# Altium PCB board_layout.pcbdoc (part 4 of 4)
Units mm, origin at the board's own origin, x right, y up, seen from the top; angles counter-clockwise.
Board outline 92.13 x 89.13 mm, 4 copper layers (Top Layer, Signal Layer 1, Signal Layer 2, Bottom Layer), stack 1.561 mm thick; 362 components, 209 nets, 1215 pads, 340 vias.
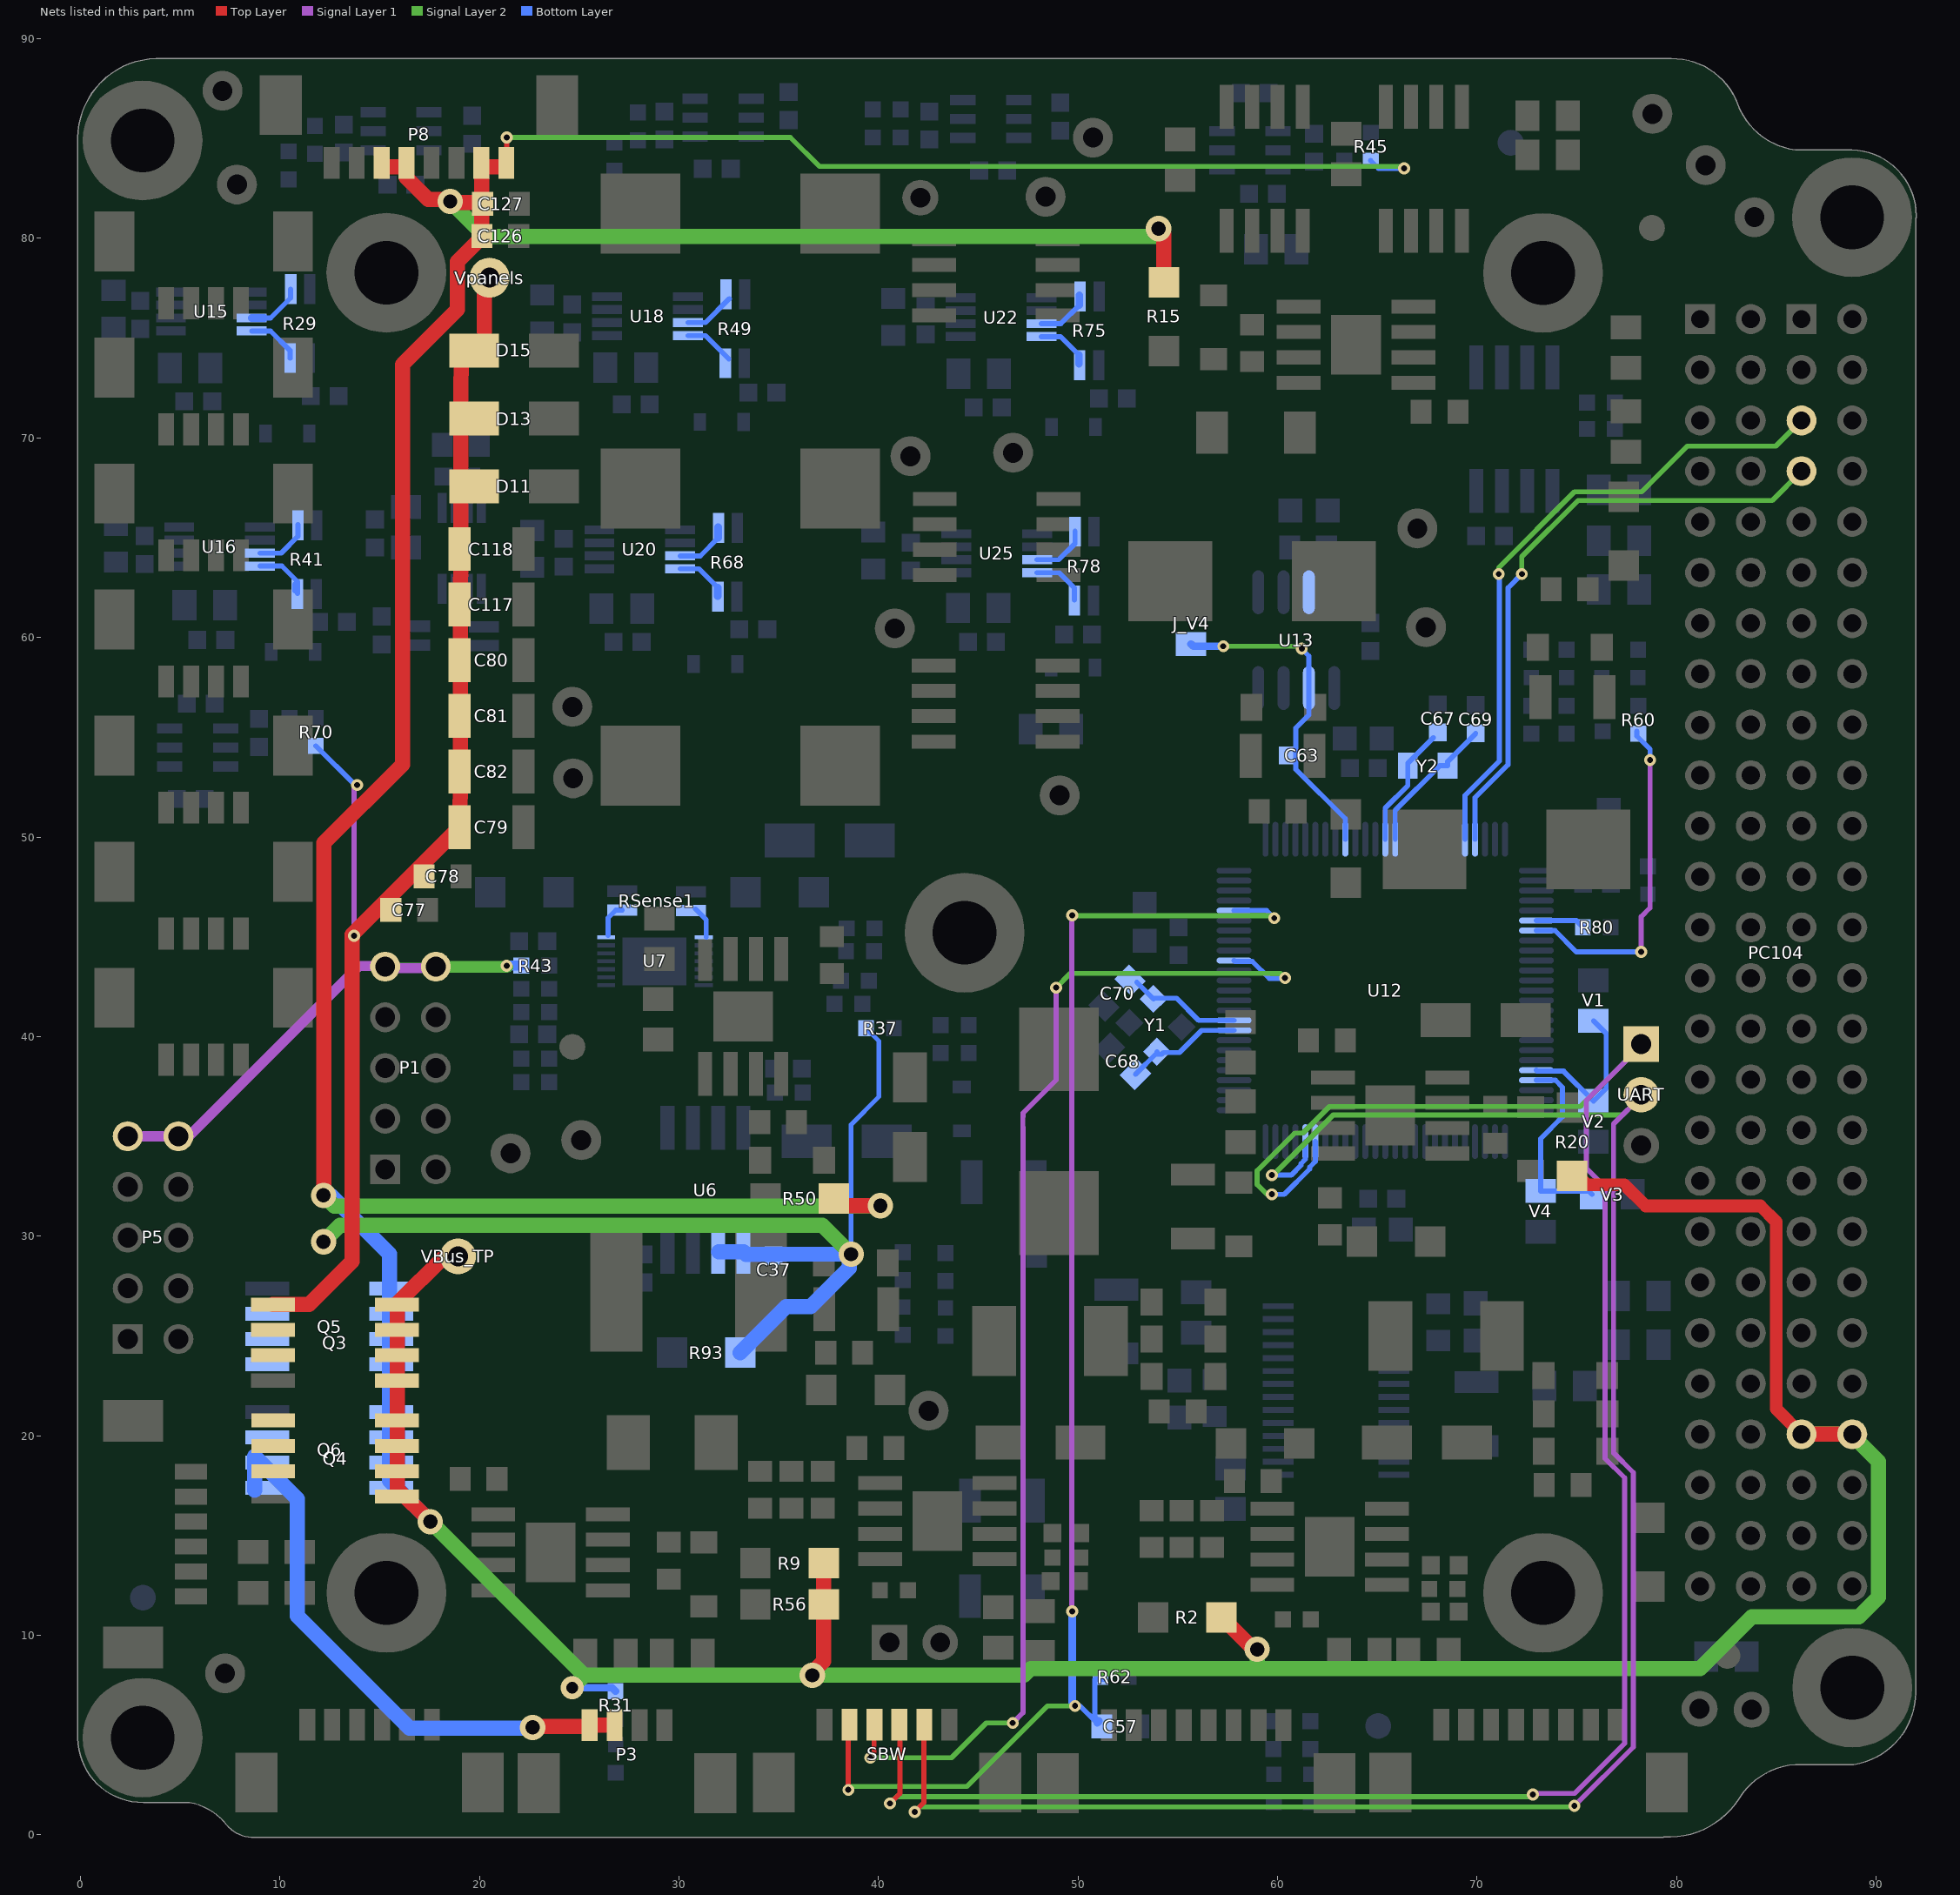
[diagram p6: the nets of this part, all layers, seen from the top]

## Via types
v1: diameter 0.6, hole 0.3, Top Layer to Bottom Layer, tented both sides, 251 vias
v2: diameter 1.27, hole 0.711, Top Layer to Bottom Layer, tented both sides, 53 vias
v3: diameter 1.27, hole 0.711, Top Layer to Bottom Layer, 24 vias
v4: diameter 0.762, hole 0.381, Top Layer to Bottom Layer, tented both sides, 9 vias
v5: diameter 0.6, hole 0.3, Top Layer to Bottom Layer, 2 vias
v6: diameter 1.15, hole 0.6, Top Layer to Bottom Layer, tented both sides, 1 vias

## Nets (pads, with @x,y where several pads share a name; then routed paths per layer and width w, separated by ;. In a path a pad name is that pad's centre, name@x,y a point inside that pad or via, vN(x,y) a via of type N, cw(c..) or ccw(c..) an arc to the next point about the centre after c; other vN are vias at no path point) (continued)
SYSTEM_FAULT_LED: R80.2 U12.31 | length 2.5
  Bottom Layer w0.254: U12.31@72.971,45.816 74.967,45.816 R80.2@75.297,45.486
SYSTEM_ON: R60.2 U12.32 | length 17.3
  Signal Layer 1 w0.254: v1(78.217,44.25) 78.217,46.008 78.657,46.448 78.666,46.439 v1(78.666,53.86) v1@78.666,53.978
  Bottom Layer w0.254: U12.32@72.971,45.316 73.901,45.316 74.967,44.25 v1(78.217,44.25) ; R60.2@78.006,55.306 78.006,55.064 78.666,54.404 v1(78.666,53.86)
TCK: SBW.3 U12.91 | length 62.1
  Top Layer w0.254: v1(39.6,3.87) 39.78,4.05 SBW.3@39.78,5.45
  Signal Layer 1 w0.254: v1(46.73,5.61) 47.25,6.13 47.25,35.456 47.238,35.468 47.238,35.984 47.25,35.996 47.25,36.173 48.903,37.826 v1(48.903,42.456)
  Signal Layer 2 w0.254: v1(39.6,3.87) 43.663,3.87 45.403,5.61 v1(46.73,5.61) ; v1(48.903,42.456) 49.615,43.168 60.143,43.168 v1(60.375,42.936)
  Bottom Layer w0.254: U12.91@57.821,43.816 57.866,43.771 58.734,43.771 59.58,42.925 60.34,42.925 v1@60.375,42.89
TDO: C57.1 R62.1 SBW.2 U12.96 | length 72.6
  Top Layer w0.254: v1(38.49,2.26) SBW.2@38.49,5.45
  Signal Layer 1 w0.254: v1@49.681,11.206 49.681,46.051 v1(49.706,46.076)
  Signal Layer 2 w0.254: v1(38.49,2.26) 38.662,2.432 44.433,2.432 47.352,5.352 48.466,6.466 v1(49.85,6.466) ; v1(49.706,46.076) 49.717,46.065 59.706,46.065 v1(59.836,45.936)
  Bottom Layer w0.254: v1(49.85,6.466) 50.102,6.466 C57.1@50.958,5.61 ; C57.1@51.054,5.706 50.849,5.911 50.849,7.809 R62.1@51.287,7.809 ; U12.96@57.821,46.316 59.455,46.316 v1(59.836,45.936)
  Bottom Layer w0.381: v1(49.706,11.206) 49.706,6.61 v1(49.85,6.466) ; C57.1@50.958,5.61 C57.1@51.054,5.706
UART_DEBUG_RX: SBW.5 U12.71 UART.2 | length 98.7
  Top Layer w0.254: v1(41.82,1.16) 42.28,1.62 SBW.5@42.28,5.45
  Signal Layer 1 w0.254: v1(74.876,1.456) 77.826,4.406 77.826,18.158 76.838,19.146 76.838,35.628 UART.2@78.286,37.076
  Signal Layer 2 w0.254: v1(41.82,1.16) 42.064,1.404 72.534,1.404 72.536,1.406 72.538,1.404 73.054,1.404 73.056,1.406 v1@74.926,1.406 ; v1(59.712,33.06) 59.772,33.06 62.781,36.069 77.279,36.069 UART.2@78.286,37.076
  Bottom Layer w0.254: v1(59.712,33.06) 60.68,33.06 61.174,33.554 61.174,33.638 61.396,33.86 U12.71@61.396,34.741
UART_DEBUG_TX: SBW.4 U12.70 UART.1 | length 106.7
  Top Layer w0.254: v1(40.58,1.58) 41.07,2.07 SBW.4@41.07,5.45
  Signal Layer 1 w0.254: v1(72.796,2.026) 72.848,2.078 74.888,2.078 77.394,4.585 77.394,17.892 76.406,18.88 76.406,32.474 75.47,33.41 75.47,36.8 UART.1@78.286,39.616
  Signal Layer 2 w0.254: v1(40.58,1.58) 40.912,1.912 72.622,1.912 v1@72.776,2.066 ; v1(59.712,32.1) 59.47,32.1 58.98,32.59 58.98,33.28 60.868,35.168 61.269,35.168 62.602,36.501 75.171,36.501 UART.1@78.286,39.616
  Bottom Layer w0.254: v1(59.712,32.1) 60.331,32.1 61.606,33.375 61.606,33.459 61.896,33.75 U12.70@61.896,34.741 ; v1(72.796,2.026) v1@72.848,2.078
UART_EPS_RX_Beacon_TX: PC104.H2-7 U12.22 | length 30.9
  Signal Layer 2 w0.254: v1(72.24,63.18) 72.24,64.05 75.057,66.867 84.787,66.867 PC104.H2-7@86.256,68.336
  Bottom Layer w0.254: U12.22@69.896,49.891 69.896,51.975 71.548,53.627 71.548,62.488 v1(72.24,63.18)
UART_EPS_TX_BEACON_RX: PC104.H2-5 U12.21 | length 32.6
  Signal Layer 2 w0.254: v1(71.08,63.18) 71.08,63.5 74.879,67.299 78.239,67.299 80.53,69.59 84.97,69.59 PC104.H2-5@86.256,70.876
  Bottom Layer w0.254: U12.21@69.396,49.891 69.396,52.086 71.116,53.806 71.116,63.074 v1@71.01,63.18
V_CHARGING_BATTERIES: C37.1 P3.1 P3.2 Q5.1 Q6.1 R37.2 R93.2 U6.5 U6.6 | length 83
  Top Layer w0.762: v2(22.667,5.39) 22.722,5.445 25.506,5.445 P3.1@25.525,5.426 ; P3.1@25.525,5.39 P3.1@25.525,5.426 ; P3.2@26.756,5.395 26.756,5.5 25.544,5.5 25.525,5.481 P3.1@25.525,5.426
  Signal Layer 2 w0.762: v2(12.19,29.72) 13.015,30.545 37.185,30.545 v2(38.63,29.1)
  Bottom Layer w0.229: v2(38.63,29.1) 38.63,35.601 40.018,36.989 40.018,39.777 R37.2@39.377,40.419
  Bottom Layer w0.762: Q6.1@8.74,17.276 8.74,18.97 10.88,16.83 10.88,10.97 16.49,5.36 v2@22.667,5.36 ; U6.6@31.997,29.221 U6.5@33.236,29.221 ; R93.2@33.075,24.17 35.381,26.477 36.607,26.477 38.533,28.402 38.533,29.003 v2(38.63,29.1) 34.746,29.1 34.742,29.096 U6.5@33.361,29.096
V_SENSE0_N: RSense1.2 U7.8 | length 1.6
  Bottom Layer w0.254: RSense1.2@30.828,46.399 31.366,45.861 U7.8@31.366,44.986
V_SENSE0_P: RSense1.1 U7.7 | length 1.7
  Bottom Layer w0.254: 26.446,45.076 26.446,45.946 26.841,46.341 RSense1.1@27.161,46.341
VBAT_COMMON: P1.9 P1.10 P5.9 P5.10 R43.1 | length 33
  Signal Layer 1 w0.508: P5.9@2.38,35.01 P5.10@4.92,35.01 5.443,35.01 13.969,43.536 P1.9@15.346,43.536 ; P1.9@15.352,43.438 P1.10@17.892,43.438
  Signal Layer 2 w0.508: P1.9@15.352,43.438 15.362,43.448 v1@21.372,43.448 ; P1.10@17.814,43.474 v1@21.438,43.474 ; P1.10@17.814,43.546 v1(21.366,43.546)
  Bottom Layer w0.508: v1(21.366,43.546) 21.388,43.568 R43.1@22.096,43.568
VBus: C126.2 C127.2 P8.1 P8.2 P8.5 P8.6 PC104.H2-45 PC104.H2-46 Q3.3 Q4.3 Q5.3 Q6.3 R2.2 R9.2 R15.2 R20.2 R31.1 R45.2 R50.2 R56.2 VBus_TP.1 | length 339.8
  Top Layer w0.254: P8.1@21.376,83.676 v1(21.376,85.056)
  Top Layer w0.635: R20.2@75.076,33.022 75.518,32.58 77.382,32.58 78.443,31.519 84.194,31.519 84.986,30.727 84.986,21.346 PC104.H2-45@86.256,20.076
  Top Layer w0.762: v2@12.071,32.131 12.215,32.275 12.215,49.706 16.142,53.633 16.142,73.677 18.895,76.429 18.895,78.821 20.121,80.047 C126.2@20.121,80.122 ; P8.6@15.1,83.775 15.299,83.576 P8.5@16.276,83.576 ; P8.5@16.331,83.576 16.331,83.054 17.438,81.947 18.443,81.947 v2(18.54,81.85) 18.599,81.791 20.102,81.791 C127.2@20.119,81.774 ; v2(17.54,15.7) 15.891,17.349 15.891,24.036 15.891,26.641 18.236,28.986 VBus_TP.1@18.93,28.986 ; C126.2@20.121,80.436 C127.2@20.121,81.346 ; C127.2@20.121,81.701 20.119,81.703 C127.2@20.119,81.774 ; C127.2@20.161,81.732 C127.2@20.119,81.774 ; P8.1@21.276,83.576 20.1,83.576 20.119,83.557 C127.2@20.119,81.774 ; v2(36.686,8) 36.686,8.137 37.259,8.711 R56.2@37.259,11.559 R9.2@37.259,13.616 ; R50.2@37.76,31.896 38.13,31.526 38.134,31.53 v2(40.1,31.53) ; v2(54.036,80.486) 54.306,80.216 R15.2@54.306,77.791 ; R2.2@57.19,10.906 58.98,9.117 v2(58.98,9.3) ; PC104.H2-45@86.256,20.076 PC104.H2-46@88.796,20.076
  Signal Layer 2 w0.254: v1(21.376,85.056) 35.586,85.056 37.041,83.601 v1@66.201,83.601 ; 23.632,9.24 23.662,9.27
  Signal Layer 2 w0.381: 58.952,8.33 58.98,8.358
  Signal Layer 2 w0.762: v2(12.19,32.05) 12.73,31.51 v2@39.716,31.51 ; v2(17.54,15.7) 25.24,8 ; v2(18.54,81.85) 20.294,80.096 53.996,80.096 v2@54.086,80.186 ; v6(24.656,7.379) 25.24,7.963 25.24,8 ; 58.98,8.358 v2(58.98,9.3) ; PC104.H2-45@86.256,20.076 PC104.H2-46@88.796,20.076 88.796,20.017 90.105,18.708 90.105,11.914 89.129,10.938 83.777,10.938 81.171,8.332 59.783,8.332 59.781,8.33 58.952,8.33 58.123,8.33 58.121,8.332 47.638,8.332 47.306,8 v2(36.686,8) 25.24,8
  Bottom Layer w0.254: R45.2@64.666,83.894 65.054,83.506 v1(66.346,83.506)
  Bottom Layer w0.381: v6(24.656,7.379) 26.647,7.379 R31.1@26.824,7.203
  Bottom Layer w0.762: v2@12.171,32.031 12.568,32.031 15.49,29.109 15.49,27.386 15.49,23.576 15.49,17.75 v2(17.54,15.7)
Version_BIT0: U12.46 V1.1 V2.2 | length 8
  Bottom Layer w0.254: U12.46@72.971,38.316 73.016,38.271 74.335,38.271 V2.2@75.83,36.776 76.462,37.408 76.462,40.162 V1.1@75.83,40.794
Version_BIT1: U12.47 V3.1 V4.2 | length 9.8
  Bottom Layer w0.254: U12.47@72.971,37.816 73.924,37.816 74.28,37.46 74.28,35.99 73.181,34.891 V4.2@73.181,32.262 75.593,32.262 V3.1@75.755,32.1
VPANELS: C77.1 C78.1 C79.1 C80.1 C81.1 C82.1 C117.1 C118.1 D11.1 D13.1 D15.1 Q3.1 Q4.1 R70.2 Vpanels.1 | length 71.7
  Top Layer w0.254: C79.1@19.006,50.496 19.035,50.525 C79.1@19.076,50.566 ; C79.1@19.167,50.491 19.26,53.275 C81.1@19.353,56.06
  Top Layer w0.762: Q3.1@9.656,26.576 11.456,26.576 13.626,28.746 13.626,45.116 C79.1@19.006,50.496 ; C79.1@19.035,50.525 19.041,53.284 19.046,56.071 19.052,58.858 19.058,61.646 19.064,64.433 19.07,67.568 19.078,71.408 D15.1@19.085,74.797 ; 20.246,75.336 Vpanels.1@20.246,78.02
  Signal Layer 1 w0.254: v1(13.716,45.056) v1@13.716,52.446
  Bottom Layer w0.254: R70.2@11.805,54.571 13.77,52.606 v1(13.876,52.606)
VREF+: C63.1 J_V4.1 U12.9 U13.6 | length 16.7
  Signal Layer 2 w0.254: v1(57.28,59.562) 60.998,59.562 v1@61.21,59.35
  Bottom Layer w0.254: v1@61.204,59.441 61.571,59.074 U13.6@61.571,57.466 61.571,56.121 60.916,55.466 60.916,53.396 63.396,50.916 U12.9@63.396,49.891
  Bottom Layer w0.381: J_V4.1@55.664,59.674 55.776,59.562 v1(57.28,59.562)
  other v1: 61.21,59.446
VREF_TEMP: U13.3
VSENSE1_N: R29.4 U15.7 | length 2.8
  Bottom Layer w0.254: U15.7@9.224,76.009 9.535,76.009 10.536,77.01 R29.4@10.536,77.441
  Bottom Layer w0.381: U15.7@8.595,76.009 U15.7@9.224,76.009
VSENSE1_P: R29.3 U15.8 | length 2.7
  Bottom Layer w0.254: U15.8@8.595,75.359 9.535,75.359 10.511,74.384 R29.3@10.511,73.991
VSENSE2_N: R41.4 U16.7 | length 2.8
  Bottom Layer w0.254: U16.7@9.007,64.229 10.066,64.229 10.908,65.071 R41.4@10.908,65.661
VSENSE2_P: R41.3 U16.8 | length 3.1
  Bottom Layer w0.254: U16.8@9.007,63.579 10.103,63.579 10.883,62.799 R41.3@10.883,62.211 ; R41.3@10.756,62.338 R41.3@10.756,62.666
VSENSE3_N: R49.4 U18.7 | length 2.6
  Bottom Layer w0.254: U18.7@30.455,75.779 31.332,75.779 R49.4@32.526,76.973
VSENSE3_P: R49.3 U18.8 | length 2.5
  Bottom Layer w0.254: U18.8@30.455,75.129 31.332,75.129 R49.3@32.501,73.96
VSENSE4_N: R68.4 U20.7 | length 2.8
  Bottom Layer w0.254: U20.7@30.065,64.089 31.069,64.089 R68.4@31.966,64.986
  Bottom Layer w0.381: R68.4@31.966,64.986 R68.4@31.966,65.521
VSENSE4_P: R68.3 U20.8 | length 2.7
  Bottom Layer w0.254: U20.8@30.065,63.439 31.003,63.439 R68.3@31.941,62.501
  Bottom Layer w0.381: R68.3@31.941,62.071 R68.3@31.941,62.501
VSENSE5_N: R75.4 U22.7 | length 2.8
  Bottom Layer w0.254: U22.7@48.166,75.726 49.136,75.726 R75.4@50.067,76.657
  Bottom Layer w0.381: R75.4@50.067,76.657 R75.4@50.067,77.158
VSENSE5_P: R75.3 U22.8 | length 2.7
  Bottom Layer w0.254: U22.8@48.166,75.076 49.126,75.076 R75.3@50.042,74.16
  Bottom Layer w0.381: R75.3@50.042,73.708 R75.3@50.042,74.16
VSENSE6_N: R78.4 U25.7 | length 2.9
  Bottom Layer w0.254: U25.7@47.946,63.896 49.036,63.896 49.847,64.707 R78.4@49.847,65.328
VSENSE6_P: R78.3 U25.8 | length 2.8
  Bottom Layer w0.254: U25.8@47.946,63.246 49.056,63.246 49.822,62.48 R78.3@49.822,61.878
XIN: C67.1 U12.13 Y2.1 | length 6.1
  Bottom Layer w0.254: U12.13@65.396,49.891 65.396,51.45 66.526,52.58 Y2.1@66.526,53.576 66.526,53.696 C67.1@67.811,54.981
XOUT: C69.1 U12.14 Y2.2 | length 7.2
  Bottom Layer w0.254: U12.14@65.896,49.891 65.896,51.339 68.133,53.576 Y2.2@68.526,53.576 68.526,53.786 69.926,55.186 C69.1@69.926,55.206
XT2IN: C68.1 U12.84 Y1.1 | length 5.9
  Bottom Layer w0.254: C68.1@52.88,38.112 53.957,39.189 Y1.1@53.957,39.243 ; Y1.1@53.957,39.113 54.186,39.113 54.279,39.206 55.086,39.206 56.196,40.316 U12.84@57.821,40.316
XT2OUT: C70.1 U12.85 Y1.3 | length 5.7
  Bottom Layer w0.254: C70.1@52.948,42.726 Y1.3@53.78,41.894 53.812,41.926 54.936,41.926 56.046,40.816 U12.85@57.821,40.816
pads on no net: +X.0 +Y.0 +Z.0 -X.0 -Y.0 -Z.0 FD1.FD0 FD2.FD0 FD3.FD0 FD4.FD0 FD5.FD0 FD6.FD0 MEC1.0 MEC2.0 MEC3.0 MEC5.0 MEC6.0 MEC7.0 MEC8.0 MEC9.0 P3.0 P8.0 PC104.H1-1 PC104.H1-2 PC104.H1-3 PC104.H1-4 PC104.H1-5 PC104.H1-6 PC104.H1-7 PC104.H1-8 PC104.H1-9 PC104.H1-11 PC104.H1-13 PC104.H1-14 PC104.H1-15 PC104.H1-16 PC104.H1-17 PC104.H1-18 PC104.H1-19 PC104.H1-20 PC104.H1-21 PC104.H1-22 PC104.H1-23 PC104.H1-24 PC104.H1-25 PC104.H1-26 PC104.H1-27 PC104.H1-28 PC104.H1-33 PC104.H1-34 PC104.H1-35 PC104.H1-36 PC104.H1-37 PC104.H1-38 PC104.H1-39 PC104.H1-40 PC104.H1-42 PC104.H1-44 PC104.H2-1 PC104.H2-2 PC104.H2-3 PC104.H2-4 PC104.H2-6 PC104.H2-8 PC104.H2-9 PC104.H2-10 PC104.H2-11 PC104.H2-12 PC104.H2-13 PC104.H2-14 PC104.H2-15 PC104.H2-16 PC104.H2-17 PC104.H2-19 PC104.H2-21 PC104.H2-23 PC104.H2-24 PC104.H2-33 PC104.H2-34 PC104.H2-37 PC104.H2-38 PC104.H2-39 PC104.H2-40 PC104.H2-41 PC104.H2-42 PC104.H2-43 PC104.H2-44 PC104.H2-47 PC104.H2-48 PC104.H2-50 PC104.H2-52 RBF.0 RTD1.0 RTD2.0 SBW.0 SW1.0 SW2.0 U3.2 U3.3 U4.2 U4.3 U5.7 U5.8 U5.19 U5.20 U9.2 U9.3 U10.2 U10.3 U12.16 U12.28 U12.29 U12.30 U12.33 U12.34 U12.35 U12.38 U12.41 U12.42 U12.43 U12.48 U12.49 U12.50 U12.54 U12.55 U12.56 U12.57 U12.58 U12.68 U12.69 U12.76 U12.77 U12.78 U12.79 U12.80 U12.81 U12.82 U12.86 U12.87 U12.88 U12.92 U12.93 U12.94 U12.95 U13.1 U13.7 U13.8 U15.4 U15.5 U16.4 U16.5 U18.4 U18.5 U20.4 U20.5 U22.4 U22.5 U25.4 U25.5 U27.4 U27.5

## Polygon pours and split planes (outlines as drawn)
PGND on Signal Layer 2 "PGND" (solid, pour order 93): 32.56,0.316 32.56,7.026 45.756,7.026 45.766,7.036 45.766,50.796 0.416,50.796 0.396,50.776 0.426,5.266 0.426,4.579 ccw(c2.509,4.579) 1.036,3.106 1.262,2.88 ccw(c3.058,4.676) 3.058,2.136 4.476,2.136 5.494,2.136 cw(c5.494,-0.185) 7.136,1.456 7.915,0.677 ccw(c8.786,1.547) 8.786,0.316
DGND on Signal Layer 2 "DGND" (solid, pour order 95): 49.456,49.066 49.456,34.846 49.616,35.006 61.606,35.006 61.606,24.676 61.686,24.596 72.256,24.596 72.256,14.336 72.326,14.266 72.246,14.346 46.116,14.346 46.116,6.84 32.93,6.84 32.93,0.206 78.606,0.206 79.304,0.206 ccw(c79.304,2.746) 81.1,0.95 82.026,1.876 83.432,3.282 cw(c85.228,1.486) 85.228,4.026 87.266,4.026 88.684,4.026 ccw(c88.684,6.566) 90.48,4.77 91.396,5.686 ccw(c90.817,6.266) 91.636,6.266 91.636,7.916 91.636,81.294 ccw(c89.096,81.294) 90.892,83.09 89.966,84.016 cw(c89.773,84.209) 89.773,83.936 86.786,83.936 86.018,83.936 cw(c86.018,86.476) 84.222,84.68 82.656,86.246 81.18,87.722 ccw(c79.384,85.927) 79.384,88.466 77.256,88.466 66.743,88.466 ccw(c66.742,88.33) 66.646,88.426 cw(c66.357,88.137) 66.766,88.136 66.766,49.006
PGND on Bottom Layer "PGND" (solid, pour order 92): 45.376,50.277 45.376,7.086 32.43,7.086 32.43,0.296 9.348,0.296 cw(c9.348,2.836) 7.552,1.04 7.286,1.306 ccw(c5.572,-0.408) 5.572,2.016 4.516,2.016 2.968,2.016 cw(c2.968,4.556) 1.172,2.76 0.926,3.006 0.91,3.022 cw(c2.706,4.818) 0.166,4.818 0.166,5.776 0.166,50.257
AGND on Bottom Layer "AGND" (solid, pour order 91): 66.516,88.466 66.496,88.486 5.776,88.486 3.838,88.486 ccw(c3.838,85.946) 2.042,87.742 1.776,87.476 1.03,86.73 ccw(c2.826,84.934) 0.286,84.934 0.286,84.076 0.286,51.066 46.186,51.066 46.066,51.066 46.066,14.466 71.976,14.466 71.976,24.436 61.166,24.436 61.286,24.436 61.286,34.856 48.996,34.856 48.996,48.516 66.876,48.516
DGND on Bottom Layer "DGND" (solid, pour order 90): 32.916,0.306 76.766,0.306 79.254,0.306 ccw(c79.254,2.846) 81.05,1.05 83.462,3.462 cw(c85.258,1.667) 85.258,4.206 88.756,4.206 88.834,4.206 ccw(c88.834,6.746) 90.63,4.95 91.316,5.636 ccw(c90.713,6.24) 91.566,6.24 91.566,8.836 ccw(c91.204,9.198) 91.716,9.198 91.716,81.066 91.716,81.094 ccw(c89.177,81.094) 90.972,82.89 90.326,83.536 ccw(c89.385,82.596) 89.384,83.926 86.386,83.926 85.808,83.926 cw(c85.808,86.466) 84.012,84.67 80.842,87.84 cw(c80.842,87.961) 80.757,87.875 ccw(c79.334,86.458) 79.334,88.466 76.316,88.466 66.666,88.466 66.666,48.306 49.356,48.306 49.356,48.366 49.356,36.586 49.466,36.586 61.776,36.586 61.776,36.806 61.776,24.596 61.506,24.596 72.256,24.596 72.256,14.056 46.146,14.056 46.146,6.686 32.897,6.686
V_CHARGING_BATTERIES on Bottom Layer "OC" (solid, pour order 70): 11.27,27.53 13.075,29.335 13.075,30.665 12.47,31.27 7.5,31.27 7.5,27.76 7.5,16.79 11.27,16.79
AGND on Bottom Layer "Bottom Layer-AGND" (solid, pour order 89): 64.736,51.3 63.95,52.086 63.95,52.603 64.254,52.907 64.254,55.233 65.848,55.233 65.848,52.212 64.936,51.3
DGND on Bottom Layer "DGND" (solid, pour order 94): 49.394,34.826 60.406,34.826 61.126,35.546 61.106,35.566 61.106,36.936 49.389,36.936 49.356,36.969
-VBAT on Bottom Layer "-VBAT" (solid, pour order 87): 18.796,41.936 18.796,37.586 14.366,37.586 14.356,37.576 14.346,37.586 14.346,41.936
+RBF on Bottom Layer "+RBF" (solid, pour order 88): 14.336,36.986 14.336,32.416 14.346,32.406 18.776,32.406 18.776,36.966 18.796,36.986
PGND on Top Layer "PGND" (solid, pour order 107): 77.77,0.25 79.428,0.25 ccw(c79.428,2.79) 81.224,0.994 83.486,3.256 cw(c85.282,1.46) 85.282,4 85.53,4 88.638,4 ccw(c88.638,6.54) 90.434,4.744 91.3,5.61 ccw(c90.479,6.431) 91.64,6.431 91.64,9.33 ccw(c91.592,9.378) 91.66,9.378 91.66,81.29 ccw(c89.342,81.29) 90.981,82.929 90.67,83.24 ccw(c88.908,81.478) 88.908,83.97 88.62,83.97 85.912,83.97 cw(c85.912,86.51) 84.116,84.714 84.04,84.79 81.064,87.766 ccw(c79.268,85.97) 79.268,88.51 79.02,88.51 3.712,88.51 ccw(c3.712,85.97) 1.916,87.766 1.87,87.72 1.004,86.854 ccw(c2.8,85.058) 0.26,85.058 0.26,83.99 0.26,4.762 ccw(c2.8,4.762) 1.004,2.966 1.56,2.41 ccw(c2.526,3.376) 2.526,2.01 4.8,2.01 5.498,2.01 cw(c5.498,-0.53) 7.294,1.266 7.37,1.19 7.688,0.872 ccw(c9.19,2.375) 9.19,0.25
NetC44_2 on Top Layer "netc44_2" (solid, pour order 79): 34.706,36.826 51.206,36.826 51.206,41.776 51.226,41.796 51.206,41.776 46.983,41.776 44.543,39.346 34.786,39.346 34.716,39.276
Net3V3OBDH_1 on Top Layer "net5_1" (solid, pour order 82): 60.247,53.263 59.73,53.78 59.73,57.203 58.136,58.797 54.296,58.824 52.326,60.794 52.326,65.046 56.936,65.046 56.936,63.24 64.22,55.956 64.22,50.086 60.247,50.086
NetC47_2 on Top Layer "net9_1" (solid, pour order 80): 64.966,28.804 64.966,30.646 54.076,30.646 51.246,33.476 46.786,33.476 46.756,33.446 46.756,28.836
6V_Radio_1 on Top Layer "3V3_Beacon" (solid, pour order 74): 77.486,9.856 79.556,9.856 80.996,11.296 84.586,11.296 84.586,13.706 84.576,13.696 77.486,13.696
NetC5_1 on Top Layer "L1" (solid, pour order 72): 70.837,14.5 70.837,15.607 72.146,16.916 72.146,20.576 69.936,22.786 69.936,27.056 74.316,27.056 74.316,14.5
NetC5_1 on Top Layer "L1" (solid, pour order 73): 79.426,14.696 79.396,14.726 79.396,16.666 74.336,16.666 74.336,27.096 69.976,27.096 69.936,27.056 69.936,22.786 72.146,20.576 72.146,14.766 72.186,14.726
VPANELS on Top Layer "VPanel" (solid, pour order 69): 12.48,17.5 12.48,17.9 12.48,27.376 8.54,27.376 8.526,22.24 7.51,22.24 7.51,19.366 6.63,18.486 6.63,17.5
NetC1_2 on Top Layer "L1" (solid, pour order 71): 64.216,15.846 67.146,15.846 67.146,26.976 67.106,27.016 64.256,27.016 64.236,27.036 64.236,26.996 64.226,26.986
NetC21_2 on Top Layer "netc21_2" (solid, pour order 81): 62.306,73.336 62.306,69.066 62.306,67.566 64.946,64.866 64.946,64.726 64.946,60.816 64.916,60.786 59.826,60.786 59.826,73.346
Net3V3ANT_1 on Top Layer "net7_1" (solid, pour order 84): 73.346,47.246 73.346,54.146 73.346,54.486 74.816,55.956 74.816,64.43 78.1,64.43 78.1,47.277
NetC55_1 on Top Layer "netc55_2" (solid, pour order 78): 38.206,28.006 35.786,30.426 32.606,30.426 32.586,30.406 32.586,23.816 32.596,23.816 35.166,21.246 35.176,21.256 38.196,21.256
NetC52_2 on Top Layer "netc52_2" (solid, pour order 77): 25.296,15.556 28.906,15.556 28.906,30.336 28.896,30.346 25.296,30.346
NetC26_2 on Top Layer "netc26_2" (solid, pour order 83): 67.166,37.516 67.166,45.226 65.056,47.336 65.056,47.886 65.076,47.906 65.076,51.416 65.096,51.396 69.706,51.396 69.686,51.376 69.686,37.516
NetC15_1 on Top Layer "netc15_2" (solid, pour order 76): 54.626,27.406 54.606,27.386 50.296,27.386 50.296,22.296 50.296,22.206 52.566,19.936 53.666,18.836 59.486,18.836 59.486,20.406 59.466,20.386 55.296,20.386 55.086,20.386 54.616,20.856
NetC11_2 on Top Layer "3V3_Beacon" (solid, pour order 75): 44.586,15.886 44.586,27.116 47.486,27.116 47.536,27.166 47.536,15.886
PGND on Signal Layer 1 "PGND" (solid, pour order 105): 77.576,0.296 79.434,0.296 ccw(c79.434,2.836) 81.23,1.04 81.276,1.086 83.492,3.302 cw(c85.288,1.506) 85.288,4.046 87.446,4.046 88.814,4.046 ccw(c88.814,6.586) 90.61,4.79 91.636,5.816 ccw(c91.395,6.058) 91.736,6.058 91.736,10.796 91.736,81.074 ccw(c89.196,81.074) 90.992,82.87 90.256,83.606 ccw(c89.29,82.64) 89.29,84.006 88.336,84.006 85.878,84.006 cw(c85.878,86.546) 84.082,84.75 83.306,85.526 81.031,87.801 ccw(c79.256,86.025) 79.256,88.536 3.798,88.536 ccw(c3.798,85.996) 2.002,87.792 1.466,87.256 1.03,86.82 ccw(c2.826,85.024) 0.286,85.024 0.286,82.566 0.286,4.848 ccw(c2.826,4.848) 1.03,3.052 1.466,2.616 ccw(c2.915,4.065) 2.915,2.016 4.276,2.016 5.504,2.016 cw(c5.504,-0.524) 7.3,1.272 7.736,0.836 ccw(c9.16,2.261) 9.16,0.246 11.726,0.246
-VBAT on Signal Layer 1 "+RBF" (solid, pour order 103): 14.336,42.066 14.336,37.35 18.776,37.35 18.776,42.046 18.796,42.066
+RBF on Signal Layer 1 "+RBF" (solid, pour order 101): 14.336,36.81 14.336,32.416 14.346,32.406 18.776,32.406 18.776,36.81
+RBF on Signal Layer 1 "+RBF" (solid, pour order 86): 1.37,28.54 1.37,23.89 1.38,23.88 5.81,23.88 5.81,28.54
-VBAT on Signal Layer 1 "-VBAT" (solid, pour order 85): 1.37,33.54 1.37,28.84 5.81,28.84 5.81,33.52 5.83,33.54

## Keep-outs
Keep-Out Layer:
  lines w0.254: 0,4.39 0,85.004 ; 0,4.854 ccw(c3.125,4.879) 3.15,1.754 5.475,1.754 cw(c4.981,-1.285) 7.432,0.579 ccw(c8.705,1.688) 8.725,0 ; 0.004,84.927 cw(c3.879,85.004) 3.802,88.878 ; 3.825,88.879 79.725,88.879 cw(c79.778,85.507) 82.95,86.654 ccw(c86.406,87.974) 85.937,84.304 88.775,84.304 cw(c88.702,81.132) 91.875,81.059 ; 8.33,0 79.275,0 ; 79.277,0.029 ccw(c79.59,4.086) 83.025,1.904 cw(c86.222,-0.119) 85.95,3.654 ; 85.95,3.642 88.236,3.642 ccw(c88.372,7.121) 91.853,7.09 91.853,7.724 91.853,81.132

## Other copper
Top Layer:
  text "'.Layer_Name'" at 164.84,-36.827 h2.5
Signal Layer 1:
  text "'.Layer_Name'" at 164.82,-36.8 h2.5
Signal Layer 2:
  text "'.Layer_Name'" at 164.82,-36.84 h2.5
Bottom Layer:
  pour cut-out: 58.506,43.016 58.506,43.536 58.526,43.556 58.836,43.556 59.146,43.246 58.796,42.896 58.746,42.896
  pour cut-out: 64.196,50.726 64.196,48.576 64.156,48.536 63.316,48.536 63.316,50.706 63.296,50.726
  pour cut-out: 61.556,61.986 61.556,65.306 63.696,65.306 63.696,60.976 61.696,60.976
  pour cut-out: 59.276,84.806 60.826,84.806 60.826,84.116 60.766,84.056 59.276,84.056
  pour cut-out: 44.856,63.981 44.856,64.906 44.736,64.906 42.986,64.906 42.986,65.666 40.866,65.666 40.866,63.981
  pour cut-out: 45.044,75.976 45.044,76.676 44.746,76.676 42.996,76.676 42.996,77.436 41.796,77.436 41.796,75.976
  pour cut-out: 45.016,85.606 45.016,86.306 44.896,86.306 43.146,86.306 43.146,87.066 41.946,87.066 41.946,85.606
  pour cut-out: 31.616,85.676 31.616,86.386 31.606,86.376 29.806,86.376 29.806,87.136 28.656,87.136 28.656,85.676
  pour cut-out: 27.333,76.09 27.333,76.746 25.356,76.746 25.356,77.356 24.096,77.356 24.096,76.096
  pour cut-out: 5.542,76.216 5.549,77.006 3.726,77.006 3.716,76.996 3.716,77.556 2.366,77.556 2.358,76.216
  pour cut-out: 5.961,64.54 5.961,65.152 5.827,65.286 4.176,65.286 3.656,65.806 3.64,65.79 2.546,65.79 2.546,64.54
  pour cut-out: 6.646,54.111 8.12,54.111 8.126,54.116 8.126,54.846 6.656,54.846 6.626,54.816
  pour cut-out: 19.194,65.563 19.688,65.563 19.856,65.731 19.856,67.286 19.836,67.306 19.856,67.326 20.296,67.326 20.296,68.736 18.947,68.736 18.947,65.574
  pour cut-out: 15.756,84.866 15.738,84.848 13.863,84.848 13.863,85.699 15.756,85.699
  pour cut-out: 26.943,64.212 26.943,65.005 26.781,65.166 25.176,65.166 25.176,65.466 25.036,65.606 23.576,65.606 23.556,65.586 23.556,64.248
  text "'.Layer_Name'" at 164.84,-36.827 h2.5

## Silkscreen, mask and mechanical layers (free items; w line width, h text height)
Top Overlay:
  drawing of 994 lines, arcs and shapes, not listed
  text "AGND" at 6.05,85.325 h0.81
  text "HEATER" at 5.875,83.775 h0.81
  text "H1+" at 15.05,81.775 h0.81
  text "H1-" at 12.525,81.75 h0.81
  text "DGND" at 79.77,81.21 h0.81
  text "H2-" at 18.55,80.66 h0.81 r90
  text "+" at 2.8,75.72 h0.81
  text "-" at 8.97,75.69 h0.81
  text "+" at 2.8,69.403 h0.81
  text "-" at 8.97,69.373 h0.81
  text "8" at 91.266,68.216 h0.75 r90
  text "+" at 2.8,63.087 h0.81
  text "-" at 8.97,63.057 h0.81
  text "16" at 91.266,57.756 h0.75 r90
  text "+" at 2.8,56.77 h0.81
  text "-" at 8.97,56.74 h0.81
  text "+" at 2.8,50.453 h0.81
  text "-" at 8.97,50.423 h0.81
  text "24" at 91.266,47.506 h0.75 r90
  text "EPS2 v0.3" at 51.996,45.377 h0.81
  text "+" at 2.8,44.137 h0.81
  text "-" at 8.97,44.107 h0.81
  text "V_CM" at 19.56,42.99 h0.81
  text "GND" at 91.266,39.466 h0.75 r90
  text "TX" at 76.515,38.68 h0.81 r90
  text "VBAT-" at 20.433,37.71 h0.81 r90
  text "32" at 91.266,37.386 h0.75 r90
  text "-" at 4.03,37.117 h0.81
  text "+" at 5.26,37.117 h0.81
  text "-" at 6.57,37.117 h0.81
  text "+" at 7.75,37.117 h0.81
  text "RX" at 76.515,36.18 h0.81 r90
  text "V_CM" at 6.73,34.59 h0.81
  text "VBAT+" at 20.433,32.63 h0.81 r90
  text "DGND" at 76.52,32.02 h0.81
  text "VBAT-" at 7.543,29.38 h0.81 r90
  text "40" at 91.266,27.146 h0.75 r90
  text "VBAT+" at 7.543,24.1 h0.81 r90
  text "46" at 91.266,19.556 h0.75 r90
  text "RBF-" at 7.823,16.8 h0.81 r90
  text "RBF+" at 7.01,15.34 h0.81
  text "NC1" at 7.63,11.78 h0.81 r90
  text "PGND" at 4.5,9 h0.81
  text "JTAG" at 45.675,7.425 h0.81 r270
  text "GPIO" at 50.525,7.375 h0.81
  text "V+" at 25.53,6.83 h0.81
  text "V-" at 28.19,6.83 h0.81
  text "RBF-" at 12.44,6.795 h0.81 r90
  text "RBF+" at 15.05,6.795 h0.81 r90
  text "NC2" at 17.63,6.795 h0.81 r90
  text "RTD3" at 55.894,6.67 h0.81 r90
  text "RTD2" at 58.402,6.67 h0.81 r90
  text "RTD6" at 60.91,6.67 h0.81 r90
  text "GND" at 43.171,6.6 h0.81
  text "RTD5" at 70.29,6.6 h0.81 r90
  text "RTD4" at 72.784,6.6 h0.81 r90
  text "RTD1" at 75.292,6.6 h0.81 r90
  text "RTD0" at 77.8,6.6 h0.81 r90
  text "VCC" at 35.6,6.57 h0.81
  text "DO" at 39.02,6.57 h0.81 r90
  text "CK" at 40.27,6.57 h0.81 r90
  text "TX" at 41.55,6.57 h0.81 r90
  text "RX" at 42.83,6.57 h0.81 r90
  text "BATTERY" at 22.225,5.25 h0.81 r90
  text "CHARGER" at 23.95,5.175 h0.81 r90
  text "RTD" at 49.325,4.6 h0.81 r90
  text "RTD" at 66,4.55 h0.81 r90
  text "'.Layer_Name'" at 164.84,-36.827 h2.5
Bottom Overlay:
  lines w0.254: 18.856,44.926 18.856,55.186 ; 21.146,37.196 21.146,44.926 19.406,44.926 ; 74.05,28.35 80.13,28.35 80.13,26.19 ; 79.95,44 85.18,44 ; 91.31,16.09 87.305,16.09 ; 91.315,66.91 84.745,66.91 ; 91.325,67.315 87.285,67.315 ; 19.406,44.926 19.406,44.956 19.746,45.336 19.726,44.586 19.406,44.926 ; 80.13,26.19 80.13,22.065 80.13,21.59 82.26,21.59 82.26,26.19 80.13,26.19 ; 84.745,66.91 84.745,62.235 82.645,62.235 82.645,66.91 84.745,66.91 ; 87.285,67.315 85.185,67.315 85.185,71.99 87.285,71.99 87.285,67.315 ; 87.305,16.09 85.13,16.09 85.13,11.44 87.305,11.44 87.305,16.09 ; 77.01,33.27 77.01,34.215 77.01,41.49 79.56,41.49 79.56,33.27 77.01,33.27 ; 80.13,11.42 80.13,13.57 84.705,13.57 84.705,11.42 80.13,11.42 ; 80.13,13.96 80.13,16.11 84.705,16.11 84.705,13.96 80.13,13.96 ; 80.13,16.5 80.13,18.65 84.705,18.65 84.705,16.5 80.13,16.5 ; 80.13,19.04 84.705,19.04 84.705,21.19 80.13,21.19 80.13,19.04 ; 80.13,36.54 80.13,41.49 89.78,41.49 89.78,36.54 80.13,36.54 ; 85.18,19.04 85.18,21.19 89.78,21.19 89.78,19.04 85.18,19.04 ; 85.18,31.665 89.78,31.665 89.78,33.87 85.18,33.87 85.18,31.665 ; 85.235,41.907 85.235,44.007 89.91,44.007 89.91,41.907 85.235,41.907 ; 85.235,44.447 85.235,46.547 89.91,46.547 89.91,44.447 85.235,44.447 ; 87.705,49.365 89.88,49.365 89.88,56.765 87.705,56.765 87.705,49.365
  text "AGND" at 11.5,87.275 h0.81
  text "TP2" at 77.26,85.92 h0.81
  text "TP1" at 80.01,83.17 h0.81
  text "DGND" at 82.41,80.59 h0.81
  text "TP9" at 50.386,80.326 h0.81
  text "UART_RADIO_1" at 91.275,77.025 h0.81 r90
  text "EN_RADIOS" at 91.25,66.41 h0.81 r90
  text "ADD_GPIO" at 91.23,55.965 h0.81 r90
  text "5V_PAYLOAD" at 91.25,48.92 h0.81 r90
  text "V_CM" at 13.65,43.15 h0.81
  text "3V3 / EPS" at 79.725,41.975 h0.64
  text "VBAT-" at 13.65,40.69 h0.81
  text "GND" at 91.23,40.065 h0.81 r90
  text "VBAT-" at 13.65,38.06 h0.81
  text "V_CM" at 5.06,37 h0.81
  text "VBAT+" at 13.65,35.68 h0.81
  text "ANT_VCC" at 91.255,35.44 h0.81 r90
  text "VBAT-" at 7.51,33.11 h0.81 r90
  text "VBAT+" at 13.65,33.03 h0.81
  text "VBus_TP" at 18.08,29.86 h0.81
  text "ADD_I2C" at 79.65,28.89 h0.81
  text "VBAT+" at 7.51,27.81 h0.81 r90
  text "BAT_VCC" at 91.23,22.616 h0.81 r90
  text "5V_OBDH" at 79.55,20.25 h0.81
  text "5V_PAYLOAD" at 79.55,17.74 h0.81
  text "EPS_I2C" at 91.27,15.67 h0.81 r90
  text "5V_RADIO_0" at 79.55,15.18 h0.81
  text "6V_RADIO_1" at 84.74,10.19 h0.81
  text "PGND" at 10.58,9.31 h0.81
  text "'.Layer_Name'" at 164.84,-36.827 h2.5
Top Paste:
  text "'.Layer_Name'" at 164.84,-36.827 h2.5
Bottom Paste:
  text "'.Layer_Name'" at 164.84,-36.827 h2.5
Top Solder:
  text "'.Layer_Name'" at 164.84,-36.827 h2.5
Bottom Solder:
  text "'.Layer_Name'" at 164.84,-36.827 h2.5
Drill Guide:
  text "'.Layer_Name'" at 164.84,-36.827 h2.5
3D Body:
  text "'.Layer_Name'" at 164.87,-36.872 h2.5
Dimension:
  text "'.Layer_Name'" at 164.84,-36.827 h2.5
Grounding Splits:
  lines w0.254: 0,50.93 45.93,50.93 ; 32.74,0.016 32.74,6.9 45.93,6.9 45.93,15.816 45.93,50.876 ; 45.956,14.476 47.516,14.476 72.116,14.476 ; 49.416,49.12 49.416,34.87 55.812,34.87 61.476,34.87 61.476,24.48 63.99,24.48 69.31,24.48 72.116,24.48 72.116,14.49 ; 49.44,49.12 66.686,49.12 66.686,88.89
  text "Bottom Layer / AGND Polygon" at 50.17,51.22 h1.52
  text "Signal Layer 2 / Bottom Layer /  / PGND Polygon" at 28.06,36.39 h1.52
  text "Signal Layer 2 / Bottom Layer /  / DGND Polygon" at 49.98,36.39 h1.52
  text "Entire Layers: / Signal Layer 1 / Top Layer /  / PGND Polygon" at 1.15,32.864 h1.52
  text "'.Layer_Name'" at 164.83,-36.82 h2.5
Batteries Board 1.0:
  circle w0.254: c44.32,45.2 r1.71
  circle w0.254: c15.34,12.12 r1.856
  circle w0.254: c73.31,12.12 r1.856
  circle w0.254: c73.31,78.27 r1.856
  circle w0.254: c15.34,78.27 r1.856
  lines w0.254: 12.456,9.266 76.172,9.266 76.172,81.166 12.456,81.166 12.456,9.266 ; 14.12,32.31 14.12,44.61 18.91,44.61 18.91,32.31 14.12,32.31
  text "Batteries Daughterboard 1.0:  / - Board Outline / - Mechanical Attachment (screws) / - Power Connector" at 24.9,10.33 h1.52
  text "'.Layer_Name'" at 164.81,-36.84 h2.5
Batteries Board 2.0:
  circle w0.254: c44.31,45.2 r1.856
  circle w0.254: c3.12,4.88 r1.856
  circle w0.254: c88.79,7.38 r1.856
  circle w0.254: c88.79,81.04 r1.856
  circle w0.254: c3.12,84.9 r1.856
  lines w0.254: 0.01,85.06 0.01,4.58 ccw(c3.006,4.763) 2.875,1.765 5.467,1.765 cw(c4.875,-1.437) 7.437,0.572 ccw(c8.694,1.612) 8.76,-0.018 79.24,-0.018 ccw(c79.386,4.378) 83.13,2.07 cw(c86.152,-0.037) 86.216,3.646 ; 0.011,85.091 cw(c3.825,85.06) 3.67,88.87 4.21,88.87 79.94,88.87 cw(c79.757,85.46) 82.95,86.67 ; 82.95,86.7 ccw(c86.335,87.888) 86.08,84.31 88.722,84.31 ; 86.152,3.646 88.454,3.646 ccw(c88.428,7.073) 91.854,7.1 91.854,81.181 ccw(c88.722,81.172) 88.75,84.304 ; 1.23,23.82 6.02,23.82 6.02,36.12 1.23,36.12 1.23,23.82
  text "Batteries Daughterboard 2.0:  / - Board Outline / - Mechanical Attachment (screws) / - Power Connector" at 24.93,10.29 h1.52
  text "'.Layer_Name'" at 164.81,-36.84 h2.5
Board Edge:
  lines w0.254: 0.01,85.06 0.01,4.58 ccw(c3.006,4.763) 2.875,1.765 5.467,1.765 cw(c4.875,-1.437) 7.437,0.572 ccw(c8.694,1.612) 8.76,-0.018 79.24,-0.018 ccw(c79.386,4.378) 83.13,2.07 cw(c86.152,-0.037) 86.216,3.646 ; 0.011,85.091 cw(c3.825,85.06) 3.67,88.87 4.21,88.87 79.94,88.87 cw(c79.757,85.46) 82.95,86.67 ; 82.95,86.7 ccw(c86.335,87.888) 86.08,84.31 88.722,84.31 ; 86.152,3.646 88.454,3.646 ccw(c88.428,7.073) 91.854,7.1 91.854,81.181 ccw(c88.722,81.172) 88.75,84.304
ASM Bottom:
  text "'.Layer_Name'" at 164.87,-36.822 h2.5
ASM Top:
  lines w0.1: 79.901,11.074 79.901,77.424 90.086,77.424 90.086,11.074 79.901,11.074
  text ".Designator" at 82.801,60.524 h0.89 r90
  text "'.Layer_Name'" at 164.84,-36.827 h2.5
Sheet:
  drawing of 333 lines, arcs and shapes, not listed
  text "1" at -3.985,136.322 h1.78
  text "2" at 68.659,136.322 h1.78
  text "3" at 141.811,136.322 h1.78
  text "4" at 214.709,136.322 h1.78
  text "A" at -38.326,113.31 h1.78
  text "A" at 248.694,113.31 h1.78
  text "Layer" at 119.204,107.23 h1.52
  text "Name" at 129.616,107.23 h1.52
  text "Material" at 153.485,107.23 h1.52
  text "Thickness" at 175.323,107.23 h1.52
  text "Constant" at 191.829,107.23 h1.52
  text "Board Layer Stack" at 206.304,107.23 h1.52
  text "Top Overlay" at 129.616,104.182 h1.52
  text "Top Solder" at 129.616,101.134 h1.52
  text "Solder Resist" at 153.485,101.134 h1.52
  text "0,010mm" at 175.323,101.134 h1.52
  text "3.5" at 191.829,101.134 h1.52
  text "1" at 119.204,98.086 h1.52
  text "Top Layer" at 129.616,98.086 h1.52
  text "Copper" at 153.485,98.086 h1.52
  text "0,035mm" at 175.323,98.086 h1.52
  text "Dielectric 1" at 129.616,95.038 h1.52
  text "0,110mm" at 175.323,95.038 h1.52
  text "4.2" at 191.829,95.038 h1.52
  text "2" at 119.204,91.99 h1.52
  text "Signal Layer 1" at 129.616,91.99 h1.52
  text "Copper" at 153.485,91.99 h1.52
  text "0,035mm" at 175.323,91.99 h1.52
  text "Core" at 129.616,88.942 h1.52
  text "FR-4" at 153.485,88.942 h1.52
  text "1,200mm" at 175.323,88.942 h1.52
  text "4.2" at 191.829,88.942 h1.52
  text "3" at 119.204,85.894 h1.52
  text "Signal Layer 2" at 129.616,85.894 h1.52
  text "Copper" at 153.485,85.894 h1.52
  text "0,036mm" at 175.323,85.894 h1.52
  text "Dielectric 2" at 129.616,82.846 h1.52
  text "0,110mm" at 175.323,82.846 h1.52
  text "4.2" at 191.829,82.846 h1.52
  text "4" at 119.204,79.798 h1.52
  text "Bottom Layer" at 129.616,79.798 h1.52
  text "Copper" at 153.485,79.798 h1.52
  text "0,035mm" at 175.323,79.798 h1.52
  text "Bottom Solder" at 129.616,76.75 h1.52
  text "Solder Resist" at 153.485,76.75 h1.52
  text "0,010mm" at 175.323,76.75 h1.52
  text "3.5" at 191.829,76.75 h1.52
  text "Bottom Overlay" at 129.616,73.702 h1.52
  text "B" at -38.326,65.253 h1.78
  text "B" at 248.694,65.253 h1.78
  text "Fabrication specifications:" at 117.476,29.324 h3.1
  text "C" at -38.326,16.739 h1.78
  text "C" at 248.694,16.739 h1.78
  text "- Copper base 1OZ:  / - PCB Material: Prepeg FR4-Standard / - PCB Tickness: 1.6mm / - PCB Surface: HASL (with lead)" at 117.47,12.34 h1.73
  text "- Silkscreen Color: White (top and bottom) / - Soldermask Color: Green / - Vias: Force Complete Tenting / - Special: Stack-up (herein included)" at 175.17,12.34 h1.73
  text "Assembly specifications:" at 117.751,6.344 h3.1
  text "- Solder composition: Include lead / - Fiducials: 3 top and 3 bottom avaliable / - Check BOM for not placed components" at 117.745,-10.65 h1.73
  text "SpaceLab - Federal University of Santa Catarina" at 157.769,-27.289 h2.5
  text "D" at -38.326,-31.267 h1.78
  text "D" at 248.694,-31.267 h1.78
  text "Project:" at 157.769,-31.789 h2.5
  text "EPS2" at 165.769,-31.789 h2.5
  text "Layer:" at 157.769,-36.789 h2.5
  text "Designed by:" at 157.769,-41.789 h2.5
  text "Project Code:" at 215.769,-41.789 h2.5
  text "EPS2" at 230.269,-41.789 h2.5
  text "Andre M. P. Mattos (based on FSat-I EPS)" at 171.695,-41.822 h2.5
  text "v0.3" at 195.795,-46.722 h2.5
  text "Date:" at 157.769,-46.789 h2.5
  text "'.Print_Date'" at 163.769,-46.789 h2.5
  text "Version:" at 186.769,-46.789 h2.5
  text "Size:" at 215.769,-46.789 h2.5
  text "A4" at 221.769,-46.789 h2.5
  text "1" at -3.985,-51.638 h1.78
  text "2" at 68.659,-51.638 h1.78
  text "3" at 141.811,-51.638 h1.78
  text "4" at 214.709,-51.638 h1.78
Drill Drawing:
  circle w0.254: c119.208,46.235 r0.671
  lines w0.254: 118.537,42.544 119.879,42.544 119.879,43.886 118.537,43.886 118.537,42.544 ; 118.537,48.583 119.208,48.919 119.879,48.583 119.543,49.254 119.879,49.925 119.208,49.59 118.537,49.925 118.872,49.254 118.537,48.583 ; 118.537,51.603 119.879,51.603 119.879,52.945 118.537,52.945 118.537,51.603 ; 118.537,55.965 119.879,55.965 119.208,54.623 118.537,55.965 ; 118.537,58.314 119.208,57.643 119.879,58.314 119.208,58.985 118.537,58.314 ; 118.537,60.998 118.872,60.998 119.208,60.663 119.543,60.998 119.879,60.998 119.543,61.334 119.879,61.669 119.543,61.669 119.208,62.005 118.872,61.669 118.537,61.669 118.872,61.334 118.537,60.998 ; 118.537,63.683 118.537,64.018 118.872,64.354 118.537,64.689 118.537,65.025 118.872,65.025 119.208,64.689 119.543,65.025 119.879,65.025 119.879,64.689 119.543,64.354 119.879,64.018 119.879,63.683 119.543,63.683 119.208,64.018 118.872,63.683 118.537,63.683 ; 118.805,42.812 119.61,42.812 119.61,43.617 118.805,43.617 118.805,42.812
  lines w0.381: 117.317,41.638 232.951,41.638 ; 117.317,65.797 232.951,65.797 ; 128.576,38.618 128.576,68.817 ; 140.757,38.618 140.757,68.817 ; 164.411,38.618 164.411,68.817 ; 174.764,38.618 174.764,68.817 ; 189.706,38.618 189.706,68.817 ; 220.001,38.618 220.001,68.817 ; 117.317,38.618 232.951,38.618 232.951,68.817 117.317,68.817 117.317,38.618
  text "Symbol" at 119.128,66.703 h1.45
  text "Count" at 129.482,66.703 h1.45
  text "Hole Size" at 141.663,66.703 h1.45
  text "Plated" at 165.317,66.703 h1.45
  text "Hole Type" at 175.67,66.703 h1.45
  text "Drill Layer Pair" at 190.612,66.703 h1.45
  text "Via/Pad" at 220.907,66.703 h1.45
  text "1" at 129.482,63.683 h1.21
  text "0,600mm (23,62mil)" at 141.663,63.683 h1.21
  text "PTH" at 165.317,63.683 h1.21
  text "Round" at 175.67,63.683 h1.21
  text "Top Layer - Bottom Layer" at 190.612,63.683 h1.21
  text "Via" at 220.907,63.683 h1.21
  text "5" at 129.482,60.663 h1.21
  text "0,991mm (39,00mil)" at 141.663,60.663 h1.21
  text "PTH" at 165.317,60.663 h1.21
  text "Round" at 175.67,60.663 h1.21
  text "Top Layer - Bottom Layer" at 190.612,60.663 h1.21
  text "Pad" at 220.907,60.663 h1.21
  text "9" at 129.482,57.643 h1.21
  text "0,381mm (15,00mil)" at 141.663,57.643 h1.21
  text "PTH" at 165.317,57.643 h1.21
  text "Round" at 175.67,57.643 h1.21
  text "Top Layer - Bottom Layer" at 190.612,57.643 h1.21
  text "Via" at 220.907,57.643 h1.21
  text "9" at 129.482,54.623 h1.21
  text "3,200mm (125,98mil)" at 141.663,54.623 h1.21
  text "PTH" at 165.317,54.623 h1.21
  text "Round" at 175.67,54.623 h1.21
  text "Top Layer - Bottom Layer" at 190.612,54.623 h1.21
  text "Pad" at 220.907,54.623 h1.21
  text "44" at 129.482,51.603 h1.21
  text "1,000mm (39,37mil)" at 141.663,51.603 h1.21
  text "PTH" at 165.317,51.603 h1.21
  text "Round" at 175.67,51.603 h1.21
  text "Top Layer - Bottom Layer" at 190.612,51.603 h1.21
  text "Pad" at 220.907,51.603 h1.21
  text "77" at 129.482,48.583 h1.21
  text "0,711mm (28,00mil)" at 141.663,48.583 h1.21
  text "PTH" at 165.317,48.583 h1.21
  text "Round" at 175.67,48.583 h1.21
  text "Top Layer - Bottom Layer" at 190.612,48.583 h1.21
  text "Via" at 220.907,48.583 h1.21
  text "104" at 129.482,45.563 h1.21
  text "0,900mm (35,43mil)" at 141.663,45.563 h1.21
  text "PTH" at 165.317,45.563 h1.21
  text "Round" at 175.67,45.563 h1.21
  text "Top Layer - Bottom Layer" at 190.612,45.563 h1.21
  text "Pad" at 220.907,45.563 h1.21
  text "253" at 129.482,42.544 h1.21
  text "0,300mm (11,81mil)" at 141.663,42.544 h1.21
  text "PTH" at 165.317,42.544 h1.21
  text "Round" at 175.67,42.544 h1.21
  text "Top Layer - Bottom Layer" at 190.612,42.544 h1.21
  text "Via" at 220.907,42.544 h1.21
  text "502 Total" at 129.482,39.524 h1.21
  text "'.Layer_Name'" at 164.84,-36.827 h2.5
  text "'.Layer_Name'" at 164.84,-36.827 h2.5

## Dimensions
91.06,3.64 to 92.169,81.058 on Dimension
88.63,3.627 to 8.596,-0.159 on Dimension
74.076,-0.127 to 88.702,3.649 on Dimension
74.167,-0.089 to 91.998,7.47 on Dimension
-0.129,4.641 to 91.998,5.491 on Dimension
8.596,-0.159 to 74.167,-0.289 on Dimension
-0.129,4.641 to 8.596,-0.159 on Dimension
92.169,81.058 to 73.346,89.016 on Dimension
76.121,-0.134 to 73.346,89.016 on Dimension
85.946,84.432 to 92.121,89.016 on Dimension

## Text inside footprints (layer, text, board x,y; h text height)
5V_RADIO_0_LED: ASM Bottom "5V_MAIN_RADIO" at 58.53,12.11 h0.89 r90
6V_RADIO_1_LED: ASM Bottom "6V_BEACON_LED" at 63.52,12.35 h0.89 r90
D7: Bottom Overlay "K" at 11.025,71.326 h0.7 r270
D12: Bottom Overlay "K" at 11.2,57.65 h0.7 r270
D14: Bottom Overlay "K" at 32.8,71.9 h0.7 r270
D16: Bottom Overlay "K" at 32.475,59.775 h0.7 r270
P3: Top Overlay "1" at 24.525,5.25 h1
P8: Top Overlay "1" at 22.35,84.025 h1 r180
PC104: Top Overlay "1" at 86.72,78.13 h0.75 r90; Top Overlay "2" at 91.27,75.8 h0.75 r90; Top Overlay "2" at 84.19,78.06 h0.75 r90; Top Overlay "1" at 81.6,78.06 h0.75 r90; Top Overlay "52" at 91.31,11.78 h0.75 r90; Top Overlay "51" at 86.48,9.56 h0.75 r90; Top Overlay "51" at 81.56,9.58 h0.75 r90; Top Overlay "52" at 84.19,9.37 h0.75 r90; Top Overlay "H2" at 84.97,78.79 h0.75; Top Overlay "H1" at 80.01,78.72 h0.75
RTD1: Top Overlay "1" at 50.546,5.25 h1
RTD2: Top Overlay "1" at 67.202,5.275 h1
SBW: Top Overlay "1" at 36.3,5.275 h1
SW1: Top Overlay "1" at 5.3,19.2 h1 r270
SW2: Top Overlay "1" at 10.375,5.275 h1
SYSTEM_FAULT: Bottom Overlay "K" at 77.875,48.25 h0.62